# Altium PCB bms_mainboard-1_0.PcbDoc (part 4 of 7)
Units mm, origin at the board's own origin, x right, y up, seen from the top; angles counter-clockwise.
Board outline 287.5 x 127.76 mm, 6 copper layers (L1, L2, L3, L4, L5, L6), stack 1.853 mm thick; 821 components, 640 nets, 2823 pads, 1876 vias.
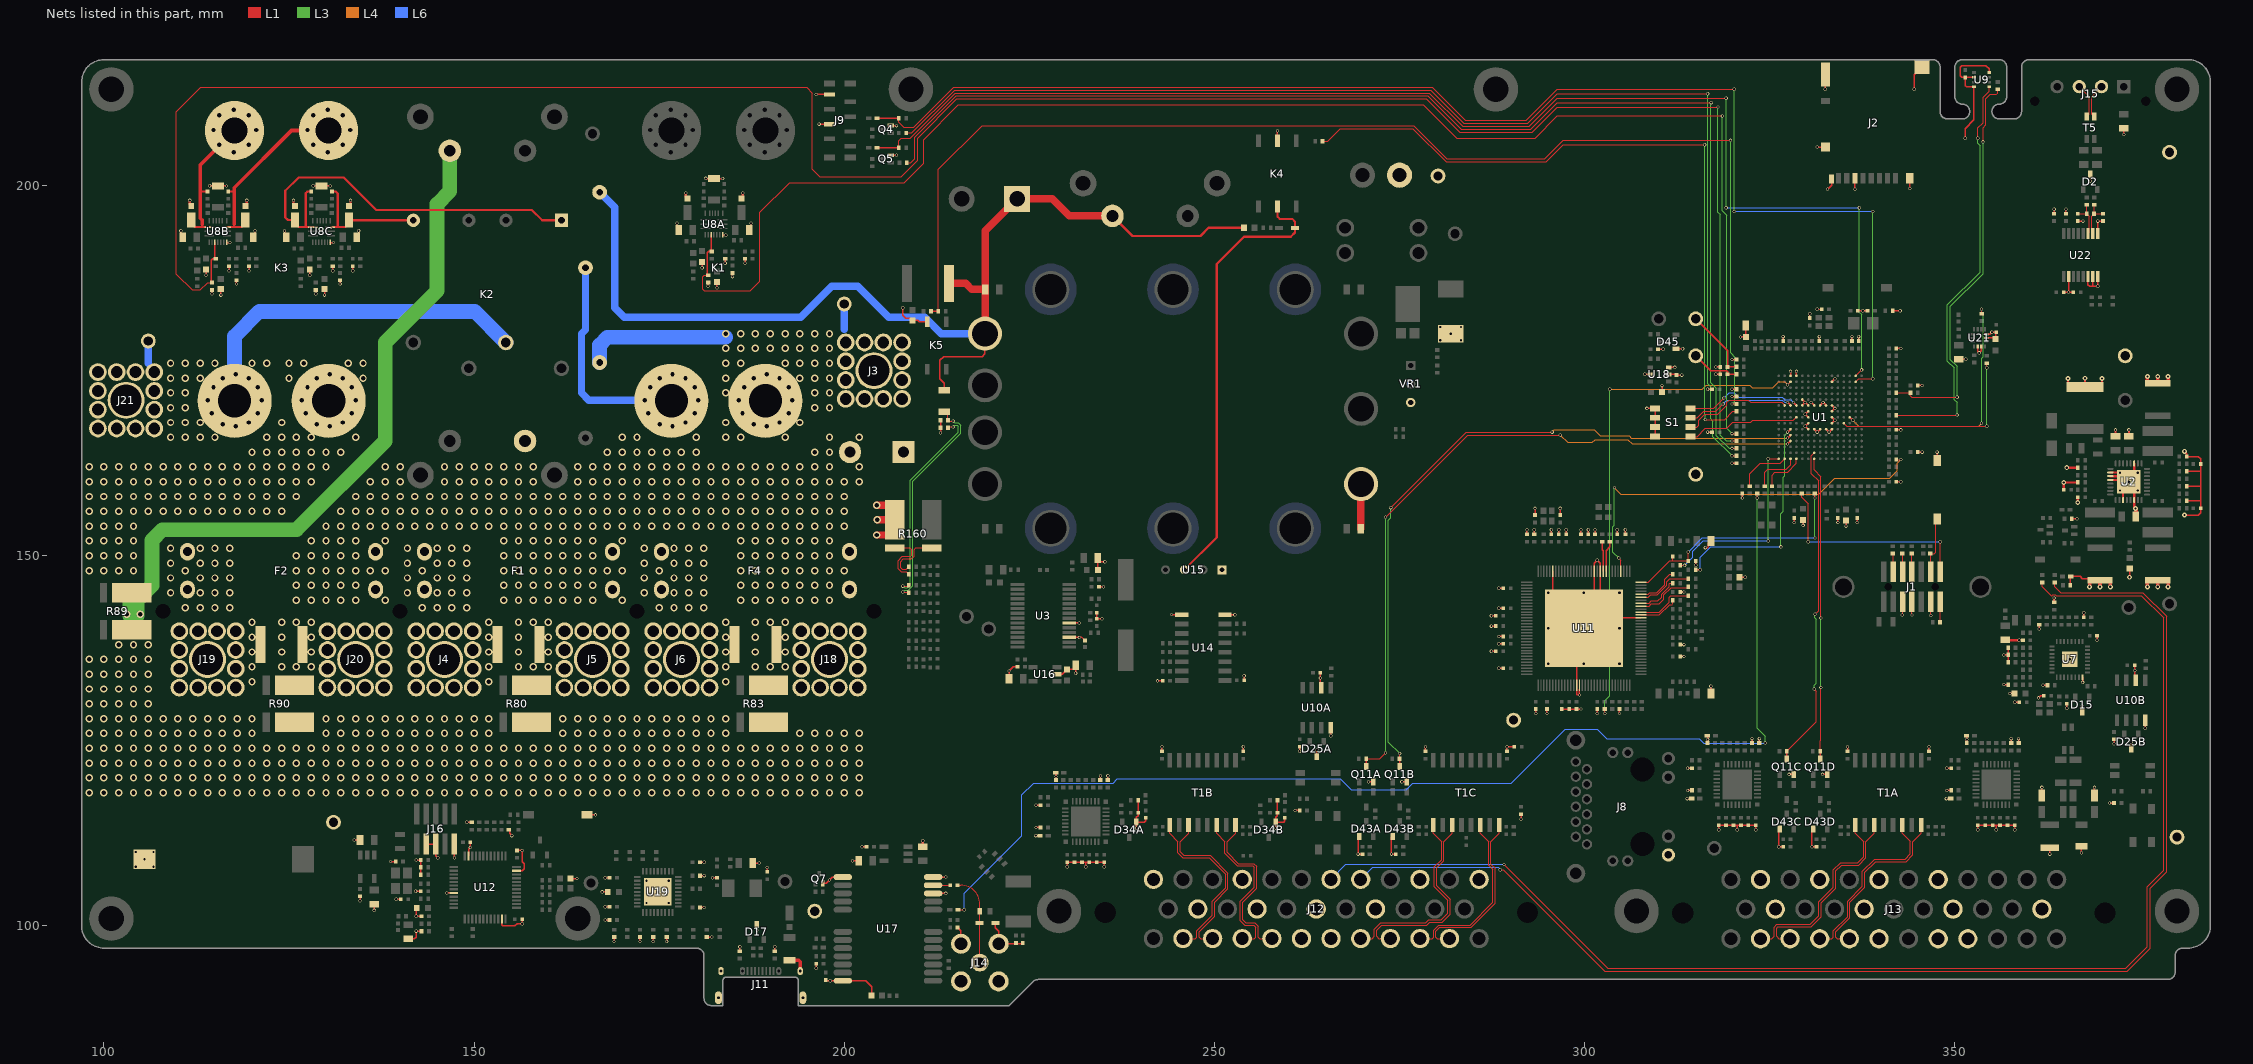
[diagram p8: the nets of this part, all layers, seen from the top]

## Via types
v1: diameter 0.45, hole 0.3, L1 to L6, 908 vias
v2: diameter 1, hole 0.6, L1 to L6, 875 vias
v3: diameter 0.65, hole 0.3, L1 to L6, 41 vias
v4: diameter 0.5, hole 0.35, L1 to L6, 28 vias
v5: diameter 0.45, hole 0.3, L1 to L6, tented both sides, 24 vias

## Nets (pads, with @x,y where several pads share a name; then routed paths per layer and width w, separated by ;. In a path a pad name is that pad's centre, name@x,y a point inside that pad or via, vN(x,y) a via of type N, cw(c..) or ccw(c..) an arc to the next point about the centre after c; other vN are vias at no path point) (continued)
COIL_LS._1_N: C84B.1 D21B.1 K3.1 U8B.3 | length 25.3
  L1 w0.3: C84B.1@116.8,199.2 117.6,199.2
  L1 w0.305: U8B.3@116.55,194.4 117.575,194.4 ; 117.6,194.8 117.575,194.775 117.575,194.4 ; D21B.1@119.1,195.35 119.1,194.9 118.6,194.4 117.575,194.4
  L1 w0.5: 117.6,194.8 117.6,199.2 117.6,199.7 125.331,207.431 K3.1@130.35,207.431
COIL_LS._1_P: C82B.2 D20B.1 K3.2 U8B.10 | length 19.2
  L1 w0.3: 113,199.2 C82B.2@114,199.2
  L1 w0.305: D20B.1@111.8,195.35 111.8,194.9 112.3,194.4 113.275,194.4 ; 113.3,194.8 113.275,194.775 113.275,194.4 ; U8B.10@114.25,194.4 113.275,194.4
  L1 w0.5: 113.3,194.8 113.3,195.3 113,195.6 113,199.2 113,202.781 K3.2@117.65,207.431
COIL_PC._1_N: C84C.1 D21C.1 K2.4 U8C.3 | length 17.3
  L1 w0.305: U8C.3@130.55,194.4 131.575,194.4 ; C84C.1@130.8,199.2 131.3,199.2 131.575,198.925 131.575,194.4 ; K2.4@141.8,195.3 133.15,195.3 D21C.1@133.1,195.35 133.1,194.9 132.6,194.4 131.575,194.4
COIL_PC._1_P: C82C.2 D20C.1 K2.1 U8C.10 | length 54
  L1 w0.305: C82C.2@128,199.2 127.5,199.2 127.275,198.975 127.275,194.4 ; U8C.10@128.25,194.4 127.275,194.4 ; K2.1@161.8,195.3 159.2,195.3 157.8,196.7 136.8,196.7 132.4,201.1 126.3,201.1 124.5,199.3 124.5,195.7 124.85,195.35 D20C.1@125.8,195.35 125.8,194.9 126.3,194.4 127.275,194.4
COMM_N: J15.3 T5.4 | length 4.7
  L1 w0.123: J15.3@366.8,213.36 368.138,212.022 368.138,209.663 T5.4@367.8,209.325
COMM_P: J15.2 T5.3 | length 4.7
  L1 w0.123: T5.3@368.8,209.325 368.462,209.663 368.462,212.022 J15.2@369.8,213.36
CONN_nRST_2: J1.12 R32.2 S2.2 | length 7.7
  L1 w0.15: R32.2@346.7,150.3 347.2,150.3 347.4,150.5 347.4,154.75 S2.2@347.6,154.95 ; J1.12@346.74,147.832 R32.2@346.74,150.26
CONN_RX_2: J1.13 R263.2 | length 2.8
  L1 w0.15: R263.2@348,141 348.01,141.01 J1.13@348.01,143.768
CONN_SWCLK_2: J1.6 R26.2 | length 2.5
  L1 w0.15: R26.2@342.9,150.3 342.93,150.27 J1.6@342.93,147.832
CONN_SWDIO_2: J1.4 R22.2 | length 2.5
  L1 w0.15: R22.2@341.6,150.3 341.66,150.24 J1.4@341.66,147.832
CONN_SWO_2: J1.8 R56.2 | length 2.5
  L1 w0.15: J1.8@344.2,147.832 R56.2@344.2,150.3
CONN_TX_2: J1.14 R280.2 | length 28.8
  L1 w0.15: R280.2@329.3,158.4 329.3,157.9 330.2,157 v1@330.2,151.89 ; J1.14@348.01,147.832 348.01,151.885 v1(348.015,151.891)
  L6 w0.15: v1(330.195,151.89) v1(348.015,151.891)
DAC1_2: C3.1 R8.2 TP1.1 | length 9.5
  L1 w0.2: TP1.1@315,182 319.3,177.7 C3.1@319.3,175.5 R8.2@320.5,175.5
DAC2_2: C11.1 R12.2 TP2.1 | length 6.8
  L1 w0.2: TP2.1@315,177 317,175 319.2,175 319.3,174.9 C11.1@319.3,174.5 R12.2@320.5,174.5
DCDC_IS._1_N: R107A.2 R160.3 | length 8.1
  L1 w0.123: R160.3@206.8,151.05 208.85,151.05 209.1,150.8 209.1,150.1 208.9,149.9 207.843,149.9 207.277,149.334 207.277,148.266 207.705,147.838 208.362,147.838 R107A.2@208.7,147.5
DCDC_IS._1_P: R104A.2 R160.4 | length 7.6
  L1 w0.123: R104A.2@208.7,148.5 208.362,148.162 207.838,148.162 207.6,148.4 207.6,149.2 207.977,149.577 209.034,149.577 209.423,149.966 209.423,150.823 209.65,151.05 R160.4@211.8,151.05
DIN0_1: Q11A.3 R264A.1 U1.N12 | length 96.1
  L1 w0.15: R264A.1@270.5,122.6 272.3,122.6 v1(273.1,123.4) ; v1(273.1,155.2) 284.2,166.3 v1(296.7,166.3)
  L1 w0.2: Q11A.3@270.5,121.525 R264A.1@270.5,122.6 ; v1(327.4,165.1) U1.N12@327.8,165.5
  L3 w0.15: v1(273.1,123.4) v1(273.1,155.2)
  L4 w0.15: v1(296.7,166.3) 297.7,165.3 301,165.3 301.4,165.7 305.8,165.7 306.4,165.1 v1(327.4,165.1)
DIN1_1: Q11B.3 R264B.1 U1.N11 | length 94.8
  L1 w0.15: v1(273.8,156.5) 284,166.7 v1@295.7,166.7 ; R264B.1@275,122.6 v1(275,123.3)
  L1 w0.2: Q11B.3@275,121.525 R264B.1@275,122.6 ; v1(327.4,165.9) U1.N11@327.8,166.3
  L3 w0.15: v1(273.8,156.5) 273.8,155.1 273.5,154.8 273.5,124.8 v1(275,123.3)
  L4 w0.15: v1(295.6,166.7) 295.9,167 301.3,167 302.1,166.2 306,166.2 306.3,165.9 v1(327.4,165.9)
DIN2_1: Q11C.3 R264C.1 U1.J14 | length 44.2
  L1 w0.15: R264C.1@327.3,123.6 331.3,127.6 331.3,131.7 v1(331,132) ; U1.J14@331,163.9 330.6,163.5 330.6,161.1 331.6,160.1 331.6,142.6 v1(331.1,142.1)
  L1 w0.2: Q11C.3@327.3,122.525 R264C.1@327.3,123.6
  L3 w0.15: v1(331,132) 331,132.5 331.3,132.8 331.3,141.4 331.1,141.6 v1(331.1,142.1)
DIN3_1: Q11D.3 R264D.1 U1.J15 | length 41
  L1 w0.15: U1.J15@331,163.1 331,161.6 331.9,160.7 v1(331.9,141.6) ; R264D.1@331.8,123.6 331.8,125 331.9,125.1 v1(331.9,132.2)
  L1 w0.2: Q11D.3@331.8,122.525 R264D.1@331.8,123.6
  L3 w0.15: v1(331.9,132.2) v1(331.9,141.6)
DIP0_2: S1.7 U1.M6 | length 15.9
  L1 w0.15: S1.7@314.3,169.905 317.405,169.905 v1(318.8,171.3)
  L1 w0.2: v1(328.2,170.7) U1.M6@328.6,170.3
  L6 w0.15: v1(318.8,171.3) 319.5,172 320.2,172 320.8,171.4 326.7,171.4 327,171.1 327.8,171.1 v1(328.2,170.7)
DIP1_2: S1.5 U1.N6 | length 14.8
  L1 w0.15: S1.5@314.3,168.635 315.2,168.635 316.065,169.5 317.7,169.5 v1(318.7,170.5)
  L1 w0.2: v1(327.4,170.7) U1.N6@327.8,170.3
  L6 w0.15: v1(318.7,170.5) 319.2,171 326.7,171 327,170.7 v1(327.4,170.7)
DIP2_2: S1.3 U1.P6 | length 15.1
  L1 w0.15: S1.3@314.3,167.365 315.165,167.365 315.4,167.6 315.4,168.3 316.2,169.1 318,169.1 319.2,170.3 319.2,170.7 319.5,171 322.1,171 322.4,170.7 326.6,170.7 U1.P6@327,170.3
DIP3_2: S1.1 U1.M8 | length 15.4
  L1 w0.15: S1.1@314.3,166.095 315.195,166.095 316.3,167.2 319.2,167.2 320,168 322.4,168 322.7,168.3 328.2,168.3 U1.M8@328.6,168.7
EDISC_A_1: J12.7 R59.1 | length 182.2
  L1 w0.15: v1(289.1,108.3) 303.1,94.3 373.1,94.3 376,97.2 376,105.3 378.2,107.5 378.2,141.6 375.2,144.6 363.666,144.6 363.566,144.7 363.234,144.7 363.134,144.6 363,144.6 361.8,145.8 R59.1@361.8,146.4
  L6 w0.15: J12.7@265.75,106.294 267.756,108.3 v1(289.1,108.3)
EDISC_B_1: J12.8 R61.1 | length 177.5
  L1 w0.15: v1(288.6,107.6) 289,107.6 302.7,93.9 373.3,93.9 376.4,97 376.4,105.1 378.6,107.3 378.6,141.8 375.4,145 364.3,145 363.5,145.8 R61.1@363.5,146.4
  L6 w0.15: J12.8@269.75,106.294 271.356,107.9 288.3,107.9 v1(288.6,107.6)
ETH_P1.RX_N: J13.28 T1A.16 | length 24.2
  L1 w0.123: J13.28@335.75,98.269 334.143,98.269 333.911,98.5 333.911,99.211 335.823,101.123 335.823,103.223 337.823,105.223 337.823,107.223 339.3,108.7 343.4,108.7 344.323,109.623 344.323,111.387 345.445,112.508 T1A.16@345.445,113.619
ETH_P1.RX_P: J13.27 T1A.14 | length 24.2
  L1 w0.123: J13.27@331.75,98.269 333.357,98.269 333.588,98.5 333.588,99.345 335.5,101.257 335.5,103.357 337.5,105.357 337.5,107.357 339.166,109.023 343.266,109.023 344,109.757 344,111.413 342.905,112.508 T1A.14@342.905,113.619
ETH_P1.TX_N: J13.26 T1A.11 | length 26.4
  L1 w0.123: J13.26@327.75,98.269 326.243,98.269 325.911,98.6 325.911,99.711 326.1,99.9 330.6,99.9 331.923,101.223 331.923,103.123 333.923,105.123 333.923,107.423 334.7,108.2 337,108.2 337.987,109.187 337.987,111.4 339.095,112.508 T1A.11@339.095,113.619
ETH_P1.TX_P: J13.25 T1A.9 | length 26.4
  L1 w0.123: J13.25@323.75,98.269 325.257,98.269 325.588,98.6 325.588,99.845 325.966,100.223 330.466,100.223 331.6,101.357 331.6,103.257 333.6,105.257 333.6,107.557 334.566,108.523 336.866,108.523 337.663,109.32 337.663,111.4 336.555,112.508 T1A.9@336.555,113.619
ETH_P2.RX_N: J12.28 T1B.16 | length 22.7
  L1 w0.123: T1B.16@252.845,113.619 252.845,112.508 251.737,111.4 251.737,109.92 253.234,108.423 255.334,108.423 255.7,108.057 255.7,105.1 253.829,103.229 253.829,100.829 254.234,100.423 255.434,100.423 255.911,99.946 255.911,98.5 256.118,98.294 J12.28@257.75,98.294
ETH_P2.RX_P: J12.27 T1B.14 | length 22.7
  L1 w0.123: T1B.14@250.305,113.619 250.305,112.508 251.413,111.4 251.413,109.787 253.1,108.1 255.2,108.1 255.377,107.923 255.377,105.234 253.505,103.362 253.505,100.695 254.1,100.1 255.3,100.1 255.588,99.812 255.588,98.5 255.382,98.294 J12.27@253.75,98.294
ETH_P2.TX_N: J12.26 T1B.11 | length 23.9
  L1 w0.123: T1B.11@246.495,113.619 246.495,112.508 245.387,111.4 245.387,110.013 245.877,109.523 249.434,109.523 251.823,107.134 251.823,105.023 250.023,103.223 250.023,101.323 247.911,99.211 247.911,98.5 248.118,98.294 J12.26@249.75,98.294
ETH_P2.TX_P: J12.25 T1B.9 | length 23.9
  L1 w0.123: T1B.9@243.955,113.619 243.955,112.508 245.063,111.4 245.063,109.88 245.743,109.2 249.3,109.2 251.5,107 251.5,105.157 249.7,103.357 249.7,101.457 247.588,99.345 247.588,98.5 247.382,98.294 J12.25@245.75,98.294
ETH_P3.RX_N: J12.34 T1C.16 | length 23.6
  L1 w0.123: J12.34@281.75,98.294 280.118,98.294 279.911,98.5 279.911,99.311 280.4,99.8 284.657,99.8 287.923,103.066 287.923,107.777 287.337,108.363 287.337,111.4 288.445,112.508 T1C.16@288.445,113.619
ETH_P3.RX_P: J12.33 T1C.14 | length 23.6
  L1 w0.123: J12.33@277.75,98.294 279.382,98.294 279.588,98.5 279.588,99.445 280.266,100.123 284.523,100.123 287.6,103.2 287.6,107.643 287.013,108.23 287.013,111.4 285.905,112.508 T1C.14@285.905,113.619
ETH_P3.TX_N: J12.32 T1C.11 | length 27.3
  L1 w0.123: J12.32@273.75,98.294 272.218,98.294 271.911,98.6 271.911,99.411 272.6,100.1 278.657,100.1 279.066,100.509 280.766,100.509 281.823,101.566 281.823,103.634 280,105.457 280,107.843 280.987,108.83 280.987,111.4 282.095,112.508 T1C.11@282.095,113.619
ETH_P3.TX_P: J12.31 T1C.9 | length 27.3
  L1 w0.123: J12.31@269.75,98.294 271.282,98.294 271.588,98.6 271.588,99.545 272.466,100.423 278.523,100.423 278.932,100.832 280.632,100.832 281.5,101.7 281.5,103.5 279.677,105.323 279.677,107.977 280.663,108.963 280.663,111.4 279.555,112.508 T1C.9@279.555,113.619
ETH_REFCLK_1: R173.1 U1.N2 | length 70.1
  L1 w0.15: v1(302.7,128.7) R173.1@302.7,129.3 ; v1(327.4,173.1) U1.N2@327.8,173.5
  L3 w0.15: v1(302.7,128.7) 302.7,130.4 303.4,131.1 v1(303.4,172.5)
  L4 w0.15: v1(303.4,172.5) 315.9,172.5 316.4,173 322.3,173 322.6,172.7 325.4,172.7 326.2,173.5 327,173.5 v1(327.4,173.1)
ETH_SWITCH_nINT_1: R286.2 U1.N10 | length 30.2
  L1 w0.2: R286.2@315,148.1 v1(315.6,148.1) ; v1(327.4,166.7) U1.N10@327.8,167.1
  L3 w0.15: v1(326.5,151.2) 326.5,155.7 326.8,156 326.8,160.6 327,160.8 327,166.3 v1(327.4,166.7)
  L6 w0.15: v1(315.6,148.1) 315.6,149.8 317,151.2 v1(326.5,151.2)
ETH_SWITCH_nRST_1: C137.1 R188.2 R287.1 U11.96 | length 33.3
  L1 w0.15: U11.96@307.6,146.4 308.6,146.4 311.5,149.3 311.9,149.3 ; R188.2@311.9,149.9 311.9,149.3 ; v1(314,150.5) C137.1@314,149.3 311.9,149.3 ; v1(331.1,157.8) R287.1@331.1,158.4
  L3 w0.15: v1(331.1,152.4) v1(331.1,157.8)
  L6 w0.15: v1(314,150.5) 315.9,152.4 v1(331.1,152.4)
ETH_SWITCH_nSS3_1: R45.1 U11.100 | length 54.1
  L1 w0.15: v1(304.6,149.7) 304.9,149.4 U11.100@304.9,147.9 ; R45.1@342.1,163 v1(342.7,163)
  L3 w0.15: v1(304.021,159.21) 304.021,154.121 303.8,153.9 303.8,150.5 v1(304.6,149.7)
  L4 w0.15: v1(304.021,159.21) 304.012,159.2 304,159.2 304.9,158.3 331.6,158.3 333.8,160.5 341.2,160.5 342.2,161.5 342.2,162.5 v1(342.7,163)
ETH_SWITCH_SYNCLKO_1: R285.1 U1.R15 | length 26.2
  L1 w0.15: R285.1@312.9,148.7 v1(313.5,148.7) ; v1(324.8,163.1) U1.R15@326.2,163.1
  L3 w0.15: v1(324.8,152) v1(324.8,163.1)
  L6 w0.15: v1(313.5,148.7) 314.6,149.8 314.6,150.6 316,152 v1(324.8,152)
FAN1_PWM_1: R31.1 R119.2 | length 166.2
  L1 w0.15: R119.2@208.45,203.1 209,203.1 209.5,203.6 209.5,206.5 215.1,212.1 278.8,212.1 283.3,207.6 292.7,207.6 296.3,211.2 v1(317.1,211.2) ; v1(319.9,164.5) R31.1@320.5,164.5
  L3 w0.15: v1(317.1,211.2) 317.031,211.131 317.031,173.369 317.8,172.6 317.8,166.22 319.52,164.5 v1(319.9,164.5)
FAN1_TACH_1: D10.1 R115.2 U1.B1 | length 177.7
  L1 w0.15: R115.2@207.35,205.1 207.35,206.05 207.7,206.4 208.9,206.4 215,212.5 279,212.5 283.5,208 292.5,208 296.3,211.8 v1(319.1,211.8) ; U1.B1@336.6,174.3 v1(337.4,175.1)
  L1 w0.203: D10.1@204.4,205.1 R115.2@207.35,205.1
  L3 w0.15: v1(319.1,197) v1(319.1,211.8) ; v1(337.1,197) 337.1,182.9 337.4,182.6 v1(337.4,175.1)
  L6 w0.15: v1(319.1,197) v1(337.1,197)
FAN2_PWM_1: R34.1 R118.2 | length 165
  L1 w0.15: R118.2@208.35,207.1 209.1,207.1 214.9,212.9 279.2,212.9 283.7,208.4 292.3,208.4 296.3,212.4 v1(316.6,212.4) ; v1(319.9,163.5) R34.1@320.5,163.5
  L3 w0.15: v1(316.6,212.4) 316.6,173.2 317,172.8 317,168.5 317.3,168.2 317.3,166.1 v1(319.9,163.5)
FAN2_TACH_1: D14.1 R114.2 U1.B2 | length 182.7
  L1 w0.15: R114.2@207.35,209.1 207.35,208.55 208,207.9 209.4,207.9 214.8,213.3 279.4,213.3 283.9,208.8 292.1,208.8 296.3,213 v1(320.2,213) ; U1.B2@336.6,173.5 337,173.9 v1(338.9,173.9)
  L1 w0.2: D14.1@204.4,209.1 R114.2@207.35,209.1
  L3 w0.15: v1(320.2,196.5) v1(320.2,213) ; v1(338.9,173.9) v1(338.9,196.5)
  L6 w0.15: v1(320.2,196.5) v1(338.9,196.5)
GND: BT1.2 C1.2 C2.2 C3.2 C4.2 C5.2 C6.2 C7.2 C8.2 C9.2 C10.2 C11.2 C12.2 C13.2 C14.2 C15.2 C16.2 C17.2 C18.2 C20.2 C21.2 C22.2 C23.2 C24.2 C25.2 C27.2 C28.2 C29.2 C31.2 C32.2 C33.2 C43.2 C45.2 C47A.2 C47B.2 C47C.2 C50A.2 C50B.2 C50C.2 C62.2 C63.2 C64.2 C65.2 C66.2 C67.2 C68.2 C69.2 C70.2 C77.2 C78.2 C79.2 C80.2 C81A.1 C81B.1 C81C.1 C83A.1 C83B.1 C83C.1 C85A.2 C85B.2 C85C.2 C86A.2 C86B.2 C86C.2 C87A.2 C87B.2 C87C.2 C90.2 C91.2 C92.2 C93.2 C94.2 C95.2 C96.2 C100.2 C101A.2 C101B.2 C102A.2 C102B.2 C103A.2 C103B.2 C104.2 C105.2 C106.2 C107.2 C108.2 C109.2 C110.2 C111.2 C112.2 C113.2 C114.2 C115.2 C116.2 C117.2 C118.2 C119.2 C120.2 C121.2 C122.2 C123.2 C124.2 C125.2 C126.2 C127.2 C128.2 C129.2 C130.2 C131.2 C132.2 C133.2 C134.2 C135.2 C136.2 C137.2 C138.1 C139.2 C140.2 C141.2 C142.2 C143.2 C144.2 C145.2 C146.2 C147.2 C148A.2 C148B.2 C149A.2 C149B.2 C150A.2 C150B.2 C150C.2 C151A.2 C151B.2 C151C.2 C152A.2 C152B.2 C152C.2 C153A.2 C153B.2 C153C.2 C154A.2 C154B.2 C154C.2 C155A.2 C155B.2 C155C.2 C156A.2 C156B.2 C156C.2 C157A.2 C157B.2 C157C.2 C158.2 C164.2 C165.2 C166.2 C167.2 C168.2 C169.2 C170.2 C171.2 C172.2 C173.2 C174.2 C177.2 C178.2 C179.2 C188A.2 C188B.2 C188C.2 C188D.2 C189.2 C190.2 C191.2 C192.2 C193.2 C194.2 C195.2 C196.2 C197A.2 C197B.2 C198A.2 C198B.2 C199A.2 C199B.2 C200.2 C201.2 C202.2 D2.3 D4.1 D5.1 D7.1 D12.1 D15.3 D17.3 D20A.2 D20B.2 D20C.2 D21A.2 D21B.2 D21C.2 D22A.1 D22B.1 D22C.1 D24.1 D25A.3 D25B.3 D31.1 D32.1 D34A.1 D34B.1 D35A.2 D35B.2 D35C.2 D36A.1 D36B.1 D36C.1 D42.1 D43A.1 D43B.1 D43C.1 D43D.1 D45.1 H13.1 J1.5 J1.7 J1.11 J2.0 J2.6 J7.2 J8.17 J9.1 J9.5 J11.GND J11.SH J12.1 J12.4 J12.10 J12.12 J12.14 J12.16 J12.18 J12.20 J12.29 J12.30 J13.2 J13.4 J13.6 J13.8 J13.14 J13.17 J13.20 J13.23 J13.29 J13.31 J13.32 J14.2 J16.3 J16.5 J16.9 K4.2 K5.2 Q4.2 Q5.2 Q7.2 Q11A.2 Q11B.2 Q11C.2 Q11D.2 R24.1 R39.2 R64.1 R66.1 R67.1 R68.1 R70.1 R81.1 R94.1 R126.1 R127.1 R140A.1 R140B.1 R140C.1 R141A.2 R141B.2 R141C.2 R145A.1 R145B.1 R145C.1 R177.2 R183.2 R184.2 R185.2 R187.2 R189.2 R194.2 R203.2 R211.2 R215.2 R216.2 R218A.1 R218B.1 R220A.2 R220B.2 R220C.2 R221A.2 R221B.2 R221C.2 R222A.2 R222B.2 R222C.2 R235.2 R236.2 R239.2 R240.2 R242.2 R253.1 R257.2 R268.1 R276.2 R277.2 R278.2 R279.2 S1.2 S1.4 S1.6 S1.8 S2.1 S7.1 TP39.1 TP41.1 TP43.1 TP45.1 TP46.1 TP47.1 TP48.1 TP52.1 U1.F2 U1.F6 U1.F7 U1.F8 U1.F9 U1.F10 U1.G6 U1.G10 U1.H6 U1.H10 U1.J6 U1.J10 U1.K6 U1.K7 U1.K8 U1.K9 U1.K10 U1.L5 U1.L6 U1.M1 U1.N1 U2.2 U2.3 U2.4 U2.11 U2.14 U2.27 U2.EP U7.32 U7.EP U8A.19 U8B.19 U8C.19 U9.1 U9.5 U9.7 U10A.2 U10A.8 U10B.2 U10B.8 U11.46 U11.47 U11.84 U11.107 U11.109 U11.123 U11.EP U12.8 U12.23 U12.35 U12.47 U14.8 U15.1 U17.10 U17.12 U17.13 U17.24 U18.2 U18.3 U18.5 U19.EP U21.2 U21.3 U21.6 U21.7 U22.2 U22.6 U22.7 U22.8 U22.9 VR1.3 | length 406.2
  L1 w0.15: C15.2@330.4,182.1 v1(330.4,182.7) ; v1(331.4,183.3) C16.2@332,183.3 ; C14.2@331.7,179 v1(331.7,179.6) ; v1(342.9,142) 342.93,142.03 J1.5@342.93,143.768 ; v1(344.2,142) J1.7@344.2,143.768 ; v1(346.733,141.931) 346.74,141.938 J1.11@346.74,143.768
  L1 w0.2: v1(110.4,193.9) 110.4,193.25 C81B.1@110.65,193 ; v1(113.8,187.9) C85B.2@113.8,188.65 ; v1(114.28,199.966) 114.296,199.95 R145B.1@115.4,199.95 116.564,199.95 v1(116.566,199.948) ; v1(114.6,185.4) R140B.1@114.6,185.9 ; v1(115.8,185.2) D22B.1@115.8,186 ; U8B.19@116.6,192.35 116.6,192.3 v1(117,192.3) ; v1(116.9,188.5) R141B.2@116.9,189.1 ; v1(117.9,186.7) C86B.2@117.9,187.2 ; v1(119.6,188.5) C87B.2@119.6,189.1 ; C83B.1@120.15,193 120.4,193.25 v1(120.4,193.9) ; v1(124.4,193.9) 124.4,193.25 C81C.1@124.65,193 ; v1(127.8,187.9) C85C.2@127.8,188.65 ; v1(128.28,199.966) 128.296,199.95 R145C.1@129.4,199.95 130.564,199.95 v1(130.566,199.948) ; v1(128.6,185.4) R140C.1@128.6,185.9 ; v1(129.8,185.2) D22C.1@129.8,186 ; U8C.19@130.6,192.35 130.6,192.3 v1(131,192.3) ; v1(130.9,188.5) R141C.2@130.9,189.1 ; v1(131.9,186.7) C86C.2@131.9,187.2 ; v1(133.6,188.5) C87C.2@133.6,189.1 ; C83C.1@134.15,193 134.4,193.25 v1(134.4,193.9) ; v1(134.6,103.4) C199B.2@134.6,104 ; v1(136.5,102.1) C198B.2@136.5,102.95 ; v1(138.7,108.7) C140.2@139.4,108.7 ; v1(139.5,103.6) C139.2@140.1,103.6 ; C146.2@141.1,98.25 141.95,98.25 142.2,98.5 v1(142.2,99.3) R194.2@142.9,99.3 ; v1(142.1,104.7) C147.2@142.8,104.7 ; v1(142.2,108.9) C142.2@142.8,108.9 R216.2@142.8,106.9 ; C145.2@142.25,102.4 142.2,102.35 v1(142.2,101.3) C138.1@142.9,101.3 ; J16.3@143.53,111.068 J16.5@144.8,111.068 144.8,109.5 v1(145.1,109.2) ; v1(146.293,104.456) 146.299,104.45 U12.8@147.25,104.45 ; J16.9@147.34,111.068 147.34,109.213 v1(147.348,109.205) ; v1(149,114) R211.2@149.7,114 ; U12.47@149.25,109.45 149.25,110.35 v1(149.5,110.6) C143.2@149.5,111.3 ; U12.23@153.75,100.95 153.75,100.15 153.9,100 155.5,100 155.8,100.3 v1(156.5,100.3) C141.2@156.5,100.9 ; R203.2@154.7,113 154.8,112.9 154.8,112.5 v1(155.1,112.2) ; U12.35@155.75,107.45 156.5,107.45 156.8,107.75 156.8,108.4 156.5,108.7 v1(156.5,110.2) C144.2@155.8,110.2 ; D32.1@162.9,106.4 v1(163.9,106.4) ; S7.1@165.25,115 v1(166.4,115) ; v1(167.3,104.6) C170.2@168.05,104.6 ; v1(167.7,100.8) R257.2@168.3,100.8 ; v1(167.7,102.6) C193.2@168.3,102.6 ; v1(167.7,106.5) C190.2@168.3,106.5 ; v1(168.9,97.9) R276.2@168.9,98.5 ; v1(172.4,97.9) C194.2@172.4,98.5 ; v1(174.2,97.9) R278.2@174.2,98.5 ; v1(176,97.9) R277.2@176,98.5 ; v1(177.4,194.9) 177.4,194.25 C81A.1@177.65,194 ; C191.2@180.5,102.5 v1(181.1,102.5) ; R279.2@180.5,106.8 v1(181.1,106.8) ; C192.2@180.5,108.6 v1(181.1,108.6) ; v1(180.8,188.9) C85A.2@180.8,189.65 ; v1(181.28,200.966) 181.296,200.95 R145A.1@182.4,200.95 183.564,200.95 v1(183.566,200.948) ; R268.1@181.4,98.5 v1(182.1,98.5) ; v1(181.6,186.4) R140A.1@181.6,186.9 ; v1(182.2,106.5) C195.2@182.8,106.5 ; v1(182.8,186.2) D22A.1@182.8,187 ; U8A.19@183.6,193.35 183.6,193.3 v1(184,193.3) ; v1(183.9,189.5) R141A.2@183.9,190.1 ; v1(184.9,187.7) C86A.2@184.9,188.2 ; R126.1@185.9,96.6 v1(185.9,97.2) ; v1(186.6,189.5) C87A.2@186.6,190.1 ; C83A.1@187.15,194 187.4,194.25 v1(187.4,194.9) ; C189.2@187.65,108.5 v1(188.5,108.5) ; v1(188.2,99.4) D17.3@188.2,100.225 ; C196.2@189.6,107.3 v1(189.6,107.9) ; R127.1@190.6,96.6 v1(190.6,97.2) ; v1(196.2,94.3) C100.2@196.2,94.9 ; v1(196.225,212.3) J9.1@198,212.3 ; v1(196.6,208.3) J9.5@198,208.3 ; Q7.2@197.1,105.775 197.575,105.775 v1(198,106.2) 198.4,106.6 U17.13@199.8,106.6 ; C164.2@197.5,92.7 197.6,92.6 v1(198.1,92.6) U17.24@199.8,92.6 202.9,92.6 203.7,91.8 D7.1@203.7,90.6 ; v1(201.1,108.8) C198A.2@201.95,108.8 ; v1(202.4,110.7) C199A.2@203,110.7 ; Q5.2@206.275,204.1 v1(207.05,204.1) ; Q4.2@206.275,208.1 v1(207.05,208.1) ; v1(207.9,183.5) 207.9,182.5 208.3,182.1 208.9,182.1 D24.1@209.2,181.8 209.9,181.8 210.1,181.6 K5.2@211.23,181.6 ; U17.10@212,104.4 v1(213.7,104.4) ; U17.12@212,106.6 v1(213.7,106.6) ; C165.2@215.3,99.8 215.76,99.34 J14.2@215.76,97.59 ; D42.1@220.42,100.4 220.42,99.73 220.84,99.31 J14.2@220.84,97.59 223.99,97.59 C166.2@224.1,97.7 ; v1(225.85,112.2) D35A.2@226.45,112.2 ; v1(225.9,113.3) R220A.2@226.5,113.3 ; v1(225.9,116.3) C152A.2@226.5,116.3 ; D36A.1@228.55,120.7 D36A.1@228.6,120.65 ; v1(230.1,108) C157A.2@230.1,108.6 C150A.2@235.1,108.6 v1(235.1,108) ; v1(232.6,108) 232.6,108.6 ; R222A.2@234.6,119.7 v1(234.6,120.3) ; R221A.2@235.6,119.7 v1(235.6,120.3) ; v1(239.45,113.215) D34A.1@239.45,114.025 ; R218A.1@239.7,117 C149A.2@239.7,115.3 239.7,114.9 239.45,114.65 D34A.1@239.45,114.025 ; C148A.2@240.7,114.6 240.7,114.2 240.525,114.025 D34A.1@239.45,114.025 ; C50B.2@242.9,123.6 v1(242.9,124.2) ; U14.8@251.421,142.045 252.754,142.045 v1(252.758,142.041) ; C47B.2@253.9,123.6 v1(253.9,124.2) ; C158.2@254,133.2 v1(254,133.8) ; v1(258.25,113.215) D34B.1@258.25,114.025 ; R218B.1@258.5,117 C149B.2@258.5,115.3 258.5,114.9 258.25,114.65 D34B.1@258.25,114.025 ; K4.2@258.5,206.045 v1(258.5,207.4) ; C148B.2@259.5,114.6 259.5,114.2 259.325,114.025 D34B.1@258.25,114.025 ; v1(260.9,115.6) C103A.2@261.5,115.6 ; v1(261.5,123.6) C102A.2@261.5,124.2 ; D25A.3@263.8,122.875 v1(263.8,123.8) ; C101A.2@264.3,134.2 v1(264.3,133.5) 264.3,132.335 U10A.2@264.435,132.2 ; v1(265.7,125.7) 265.705,125.705 U10A.8@265.705,126.8 ; D43A.1@269.55,112.075 269.4,111.925 v1(269.4,109.7) C188A.2@270,109.7 ; v1(270.813,119.467) 270.821,119.475 Q11A.2@271.45,119.475 ; D43B.1@274.05,112.075 273.9,111.925 v1(273.9,109.7) C188B.2@274.5,109.7 ; v1(275.313,119.467) 275.321,119.475 Q11B.2@275.95,119.475 ; C50C.2@278.5,123.6 v1(278.5,124.2) ; v1(287.4,137.1) C115.2@288,137.1 ; v1(287.4,140.5) C121.2@288,140.5 ; v1(287.4,141.9) C113.2@288,141.9 ; v1(288.4,134.8) C125.2@289,134.8 ; v1(288.4,138.1) C106.2@289,138.1 ; v1(288.4,139.1) C123.2@289,139.1 ; v1(288.4,142.9) C104.2@289,142.9 ; v1(288.4,145.6) C119.2@289,145.6 ; C47C.2@289.5,123.6 v1(289.5,124.2) C133.2@290.5,124.2 ; v1(291.4,114.4) C70.2@291.4,115.1 ; C116.2@292.2,152.9 v1(292.2,153.5) ; R189.2@293.2,152.9 v1(293.2,153.5) ; C135.2@293.3,155.5 v1(293.3,156.4) ; v1(293.4,128.7) C108.2@293.4,129.3 ; v1(294.9,128.7) C128.2@294.9,129.3 ; C132.2@295.5,152.9 v1(295.5,153.5) ; U11.EP@295.7,145.2 U11.123@295.7,147.9 ; C114.2@296.5,152.9 v1(296.5,153.5) ; C136.2@296.7,155.5 v1(296.7,156.4) ; C129.2@296.9,129.3 v1(299.5,129.3) ; C131.2@297.5,152.9 v1(297.5,153.5) ; U11.EP@298.9,135.2 U11.46@298.9,132.5 298.9,131.302 299.002,131.2 v1(299.3,131.2) U11.47@299.3,131.95 ; C130.2@299.5,152.9 v1(299.5,153.5) ; C112.2@300.5,152.9 v1(300.5,153.5) ; U11.EP@301.3,145.2 U11.109@301.3,147.9 301.3,149 v1(301.7,149.4) 302.1,149 U11.107@302.1,147.9 U11.EP@302.1,145.2 ; C126.2@301.4,152.9 v1(301.4,153.5) ; v1(301.7,128.7) C118.2@301.7,129.3 ; C124.2@304.4,152.9 v1(304.4,153.5) ; v1(304.7,128.7) C105.2@304.7,129.3 ; U11.EP@304.9,141.6 U11.84@307.6,141.6 ; C109.2@305.5,152.9 v1(305.5,153.5) ; v1(308.1,174.5) U18.5@308.875,174.5 ; v1(308.4,169.9) 308.405,169.905 S1.8@309.5,169.905 S1.6@309.5,168.635 S1.4@309.5,167.365 S1.2@309.5,166.095 ; C169.2@309.9,177.9 v1(310.6,177.9) ; v1(310.438,172.979) 310.45,172.967 C168.2@310.45,172.1 ; U18.2@311.325,174.5 312.3,174.5 R253.1@312.4,174.4 v1(313.1,174.4) ; U18.3@311.325,175.45 312.144,175.45 v1(312.152,175.443) ; D45.1@312.325,177.95 v1(313.224,177.949) ; C120.2@312.9,136.4 v1(313.4,136.4) ; C107.2@312.9,138 v1(313.4,138) ; C122.2@312.9,145.1 v1(313.4,145.1) ; v1(313.85,117.2) D35B.2@314.45,117.2 ; v1(313.9,118.3) R220B.2@314.5,118.3 ; v1(313.9,121.3) C152B.2@314.5,121.3 ; v1(315,148.725) C137.2@315,149.3 ; v1(316.3,151.1) 316.6,151.1 316.7,151.2 316.7,151.65 C127.2@317.05,152 ; D36B.1@316.55,125.7 316.6,125.65 v1(316.6,125.175) ; v1(316.6,166.7) C5.2@317.2,166.7 ; v1(316.6,172.5) C6.2@317.2,172.5 ; v1(317.7,174.5) C11.2@318.3,174.5 ; v1(317.7,175.5) C3.2@318.3,175.5 ; v1(318.1,113) C157B.2@318.1,113.6 C150B.2@323.1,113.6 v1(323.1,113) ; v1(319.9,162.5) C4.2@320.5,162.5 ; v1(319.9,171.5) C167.2@320.5,171.5 ; v1(319.9,172.5) R24.1@320.5,172.5 ; v1(319.9,176.5) C10.2@320.5,176.5 ; v1(320.6,113) 320.6,113.6 ; D31.1@320.9,147.1 v1(321.7,147.1) ; v1(321.053,179.544) 321.058,179.55 C12.2@321.8,179.55 321.75,179.6 C13.2@321.75,181.1 ; v1(321.3,157.8) C43.2@321.3,158.4 ; R222B.2@322.6,124.7 v1(322.6,125.3) ; R221B.2@323.6,124.7 v1(323.6,125.3) ; D43C.1@326.35,113.075 326.2,112.925 v1(326.2,110.7) C188C.2@326.8,110.7 ; C8.2@326.8,179 v1(326.8,179.6) ; v1(327.613,120.467) 327.621,120.475 Q11C.2@328.25,120.475 ; U1.N1@327.8,174.3 v1(327.8,174.9) ; v1(328.3,154.5) C45.2@328.3,155.1 ; U1.M1@328.6,174.3 v1(328.6,174.9) ; U1.L6@329.4,170.3 v1(329.8,170.7) ; U1.L5@329.4,171.1 v1(329.8,170.7) ; U1.K10@330.2,167.1 v1(329.8,167.5) U1.K9@330.2,167.9 ; U1.K8@330.2,168.7 v1(329.8,169.1) U1.K7@330.2,169.5 ; U1.K6@330.2,170.3 v1(329.8,170.7) ; v1(330.6,170.7) U1.J6@331,170.3 ; D43D.1@330.85,113.075 330.7,112.925 v1(330.7,110.7) C188D.2@331.3,110.7 ; U1.J10@331,167.1 v1(331.4,166.7) U1.H10@331.8,167.1 ; v1(331.4,205.2) J2.0@332.5,205.2 ; U1.H6@331.8,170.3 v1(332.2,170.7) U1.G6@332.6,170.3 ; v1(332.113,120.467) 332.121,120.475 Q11D.2@332.75,120.475 ; v1(332.5,213) J2.0@332.5,215 ; U1.G10@332.6,167.1 v1(333,166.7) U1.F10@333.4,167.1 ; v1(332.8,199.5) 333.35,200.05 J2.0@333.35,200.9 ; U1.F9@333.4,167.9 v1(333.8,168.3) U1.F8@333.4,168.7 ; U1.F7@333.4,169.5 v1(333.8,169.9) U1.F6@333.4,170.3 ; U1.F2@333.4,173.5 v1(333.8,173.9) ; v1(334.2,154.5) C65.2@334.2,155.1 ; v1(335.3,154) C1.2@335.3,154.75 ; C50A.2@335.5,123.6 v1(335.5,124.2) ; C63.2@336.1,179 v1(336.1,179.6) ; v1(336.5,199.5) J2.6@336.5,201 ; v1(336.8,154.5) C69.2@336.8,155.1 ; C18.2@336.9,183.1 v1(337.55,183.1) C17.2@338.2,183.1 ; C7.2@337,179 v1(337,179.6) ; R39.2@341.6,183.1 v1(342.6,183.1) ; C67.2@342.1,160 v1(342.7,160) ; C66.2@342.1,167 v1(342.7,167) ; C68.2@342.1,178 v1(342.7,178) ; v1(343.9,199.6) J2.0@343.9,201 ; v1(344.5,213) 344.5,214.95 J2.0@345.55,216 ; C9.2@345,164 v1(345.6,164) ; C64.2@345,173 v1(345.6,173) ; C47A.2@346.5,123.6 v1(346.5,124.2) ; S2.1@347.6,162.85 v1(347.6,164) ; v1(348.85,117.2) D35C.2@349.45,117.2 ; v1(348.9,118.3) R220C.2@349.5,118.3 ; v1(348.9,121.3) C152C.2@349.5,121.3 ; C202.2@350.5,176.55 351.477,176.55 v1(351.48,176.554) ; v1(351.4,206.4) 351.4,207.7 352.575,208.875 U9.5@352.575,213.325 351.575,213.325 351.4,213.5 C96.2@351.4,214.6 ; D36C.1@351.55,125.7 351.6,125.65 v1(351.6,125.175) ; U9.7@352.575,214.625 351.425,214.625 C96.2@351.4,214.6 ; U21.2@353.075,178.263 353.075,177.625 v1(353.3,177.4) 353.575,177.675 U21.3@353.575,178.263 ; v1(353.1,113) C157C.2@353.1,113.6 C150C.2@358.1,113.6 v1(358.1,113) ; U21.6@354.237,179.426 355.324,179.426 C200.2@355.5,179.25 355.5,180.1 C201.2@355.6,180.2 v1(355,180.2) 354.726,179.926 U21.7@354.237,179.926 ; U9.1@354.625,215.275 354.625,215.775 354.2,216.2 350.9,216.2 350.7,216 350.7,214.8 350.9,214.6 C96.2@351.4,214.6 ; v1(355.6,113) 355.6,113.6 ; v1(356.6,132.6) R183.2@357.2,132.6 ; v1(356.6,136.6) R187.2@357.2,136.6 ; R177.2@357.2,135.6 R187.2@357.2,136.6 ; R184.2@357.2,137.6 R187.2@357.2,136.6 ; v1(357.4,131.4) C92.2@358.05,131.4 ; R222C.2@357.6,124.7 v1(357.6,125.3) ; v1(358.1,130.2) C79.2@358.7,130.2 ; R221C.2@358.6,124.7 v1(358.6,125.3) ; v1(358.7,138.6) C95.2@359.2,138.6 ; v1(361.3,130.8) 361.6,131.1 C78.2@362,131.1 ; v1(361.4,140.1) R185.2@361.4,140.7 ; R235.2@361.75,117.6 v1(361.75,118.718) ; v1(361.9,132.5) R242.2@362.5,132.5 ; v1(362.8,109.7) C90.2@362.8,110.55 ; C172.2@363.4,196.2 v1(363.4,196.8) ; C173.2@364.7,185.6 v1(365.35,185.6) ; C174.2@365,196.2 v1(365,196.8) ; v1(365.1,129.4) C91.2@365.1,130 ; U22.2@365.375,187.7 365.375,185.625 v1(365.35,185.6) ; R67.1@365.6,146 365.6,147.15 D4.1@365.65,147.2 366.9,147.2 367.2,146.9 C28.2@369.6,146.9 ; R68.1@365.8,155 v1(366.5,155) ; C171.2@366,185.6 v1(365.35,185.6) ; C179.2@366.6,195.2 v1(367.3,195.2) ; v1(367.1,109.9) R240.2@367.1,110.75 ; D15.3@367.2,128.875 v1(367.2,129.7) ; U7.32@367.25,133.6 367.25,132.895 v1(367.252,132.893) ; C77.2@367.4,141.7 v1(367.4,142.3) ; U22.6@367.975,187.7 367.975,186.625 368.2,186.4 368.627,186.4 ; U22.7@368.625,187.7 368.625,186.402 368.627,186.4 ; R236.2@368.85,117.6 v1@368.85,118.717 ; v1(369.2,138.6) C94.2@369.2,139.2 ; U22.8@369.275,187.7 369.275,186.425 v1(369.3,186.4) 368.627,186.4 ; U22.9@369.275,193.5 369.3,193.525 v1(369.3,195.2) C178.2@370,195.2 ; v1(370.9,116.6) C103B.2@371.5,116.6 ; v1(371.5,124.6) C102B.2@371.5,125.2 ; v1(372.8,206.9) C177.2@372.8,207.75 ; v3(373.6,147.1) D5.1@373.6,148.3 ; D25B.3@373.8,123.875 v1(373.8,124.8) ; C101B.2@374.3,135.2 v1(374.3,134.5) 374.3,133.335 U10B.2@374.435,133.2 ; v1(375.7,126.7) 375.705,126.705 U10B.8@375.705,127.8 ; v3(381,155.5) 382.9,155.5 383.2,155.8 C33.2@383.2,156.4 383.2,157.4 ; v3(381,164.1) 381.3,163.8 C24.2@381.3,163.4 382.9,163.4 383.2,163.1 C25.2@383.2,162.4 383.2,161.4 ; R94.1@381.3,157.4 383.2,157.4 ; R64.1@381.3,159.4 383.2,159.4 ; R66.1@381.3,161.4 383.2,161.4 ; 383.2,157.4 383.2,159.4 ; 383.2,159.4 383.2,161.4